# Altium PCB mantarray_beta_drv425_Mounting_Holes.PcbDoc (part 3 of 5)
Units mm, origin at the board's own origin, x right, y up, seen from the top; angles counter-clockwise.
Board outline 158.05 x 258 mm, 8 copper layers (Top Layer, GND1, Signal 1, GND2, DVDD, PWR, AVDD, GND3), stack 1.61 mm thick; 318 components, 274 nets, 1474 pads, 756 vias.
Unrouted connection lines stored in the file: 18.
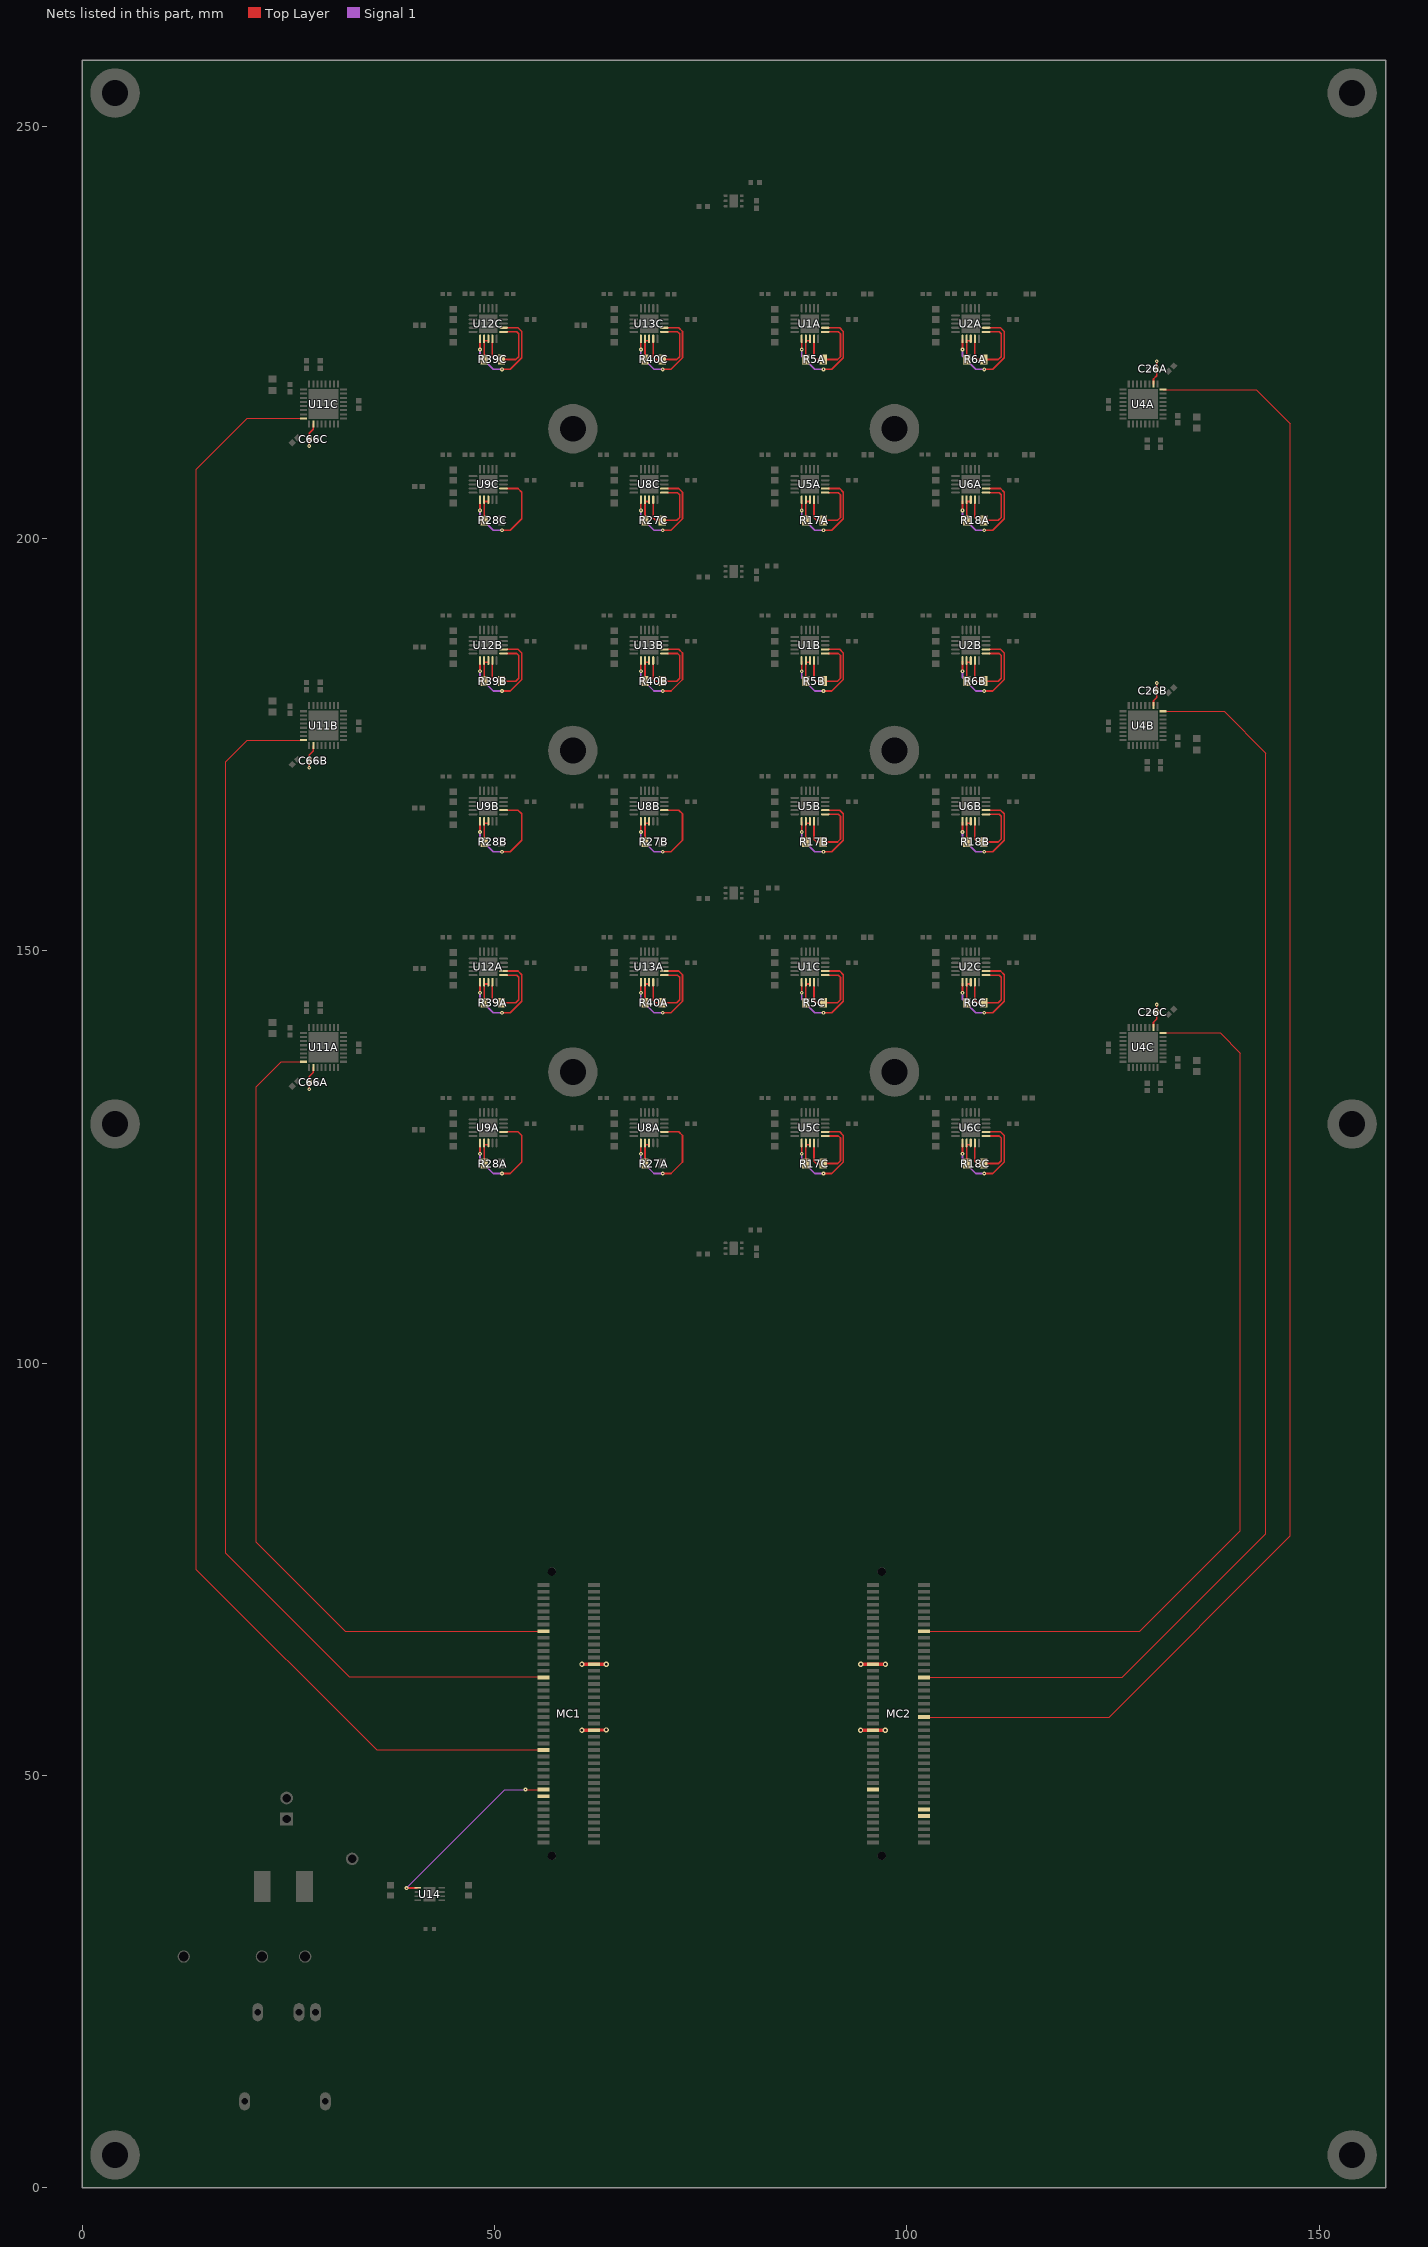
[diagram p9: the nets of this part, all layers, seen from the top]

## Via types
v1: diameter 0.508, hole 0.203, Top Layer to GND3, 292 vias
v2: diameter 0.457, hole 0.152, Top Layer to GND3, 266 vias
v3: diameter 0.5, hole 0.2, Top Layer to GND3, 106 vias
v4: diameter 0.55, hole 0.2, Top Layer to GND3, 54 vias
v5: diameter 0.635, hole 0.305, Top Layer to GND3, 30 vias
v6: diameter 1.524, hole 1.016, Top Layer to GND3, 6 vias
v7: diameter 1.8, hole 1.2, Top Layer to GND3, 2 vias

## Nets (pads, with @x,y where several pads share a name; then routed paths per layer and width w, separated by ;. In a path a pad name is that pad's centre, name@x,y a point inside that pad or via, vN(x,y) a via of type N, cw(c..) or ccw(c..) an arc to the next point about the centre after c; other vN are vias at no path point) (continued)
CMP1L_2C: R27C.1 U8C.14 U8C.16 | length 9.6
  Top Layer w0.203: U8C.14@69.25,204.3 69.25,202.5 69.55,202.2 R27C.1@70.35,202.2 72.1,202.2 72.45,202.55 72.45,205.3 72.2,205.55 U8C.16@71,205.55
CMP1L_4A: R39A.1 U12A.14 U12A.16 | length 9.6
  Top Layer w0.203: U12A.14@49.75,145.8 49.75,144 50.05,143.7 R39A.1@50.85,143.7 52.6,143.7 52.95,144.05 52.95,146.8 52.7,147.05 U12A.16@51.5,147.05
CMP1L_4B: R39B.1 U12B.14 U12B.16 | length 9.6
  Top Layer w0.203: U12B.14@49.75,184.8 49.75,183 50.05,182.7 R39B.1@50.85,182.7 52.6,182.7 52.95,183.05 52.95,185.8 52.7,186.05 U12B.16@51.5,186.05
CMP1L_4C: R39C.1 U12C.14 U12C.16 | length 9.6
  Top Layer w0.203: U12C.14@49.75,223.8 49.75,222 50.05,221.7 R39C.1@50.85,221.7 52.6,221.7 52.95,222.05 52.95,224.8 52.7,225.05 U12C.16@51.5,225.05
CMP1L_RA: R40A.1 U13A.14 U13A.16 | length 9.6
  Top Layer w0.203: U13A.14@69.25,145.8 69.25,144 69.55,143.7 R40A.1@70.35,143.7 72.1,143.7 72.45,144.05 72.45,146.8 72.2,147.05 U13A.16@71,147.05
CMP1L_RB: R40B.1 U13B.14 U13B.16 | length 9.6
  Top Layer w0.203: U13B.14@69.25,184.8 69.25,183 69.55,182.7 R40B.1@70.35,182.7 72.1,182.7 72.45,183.05 72.45,185.8 72.2,186.05 U13B.16@71,186.05
CMP1L_RC: R40C.1 U13C.14 U13C.16 | length 9.6
  Top Layer w0.203: U13C.14@69.25,223.8 69.25,222 69.55,221.7 R40C.1@70.35,221.7 72.1,221.7 72.45,222.05 72.45,224.8 72.2,225.05 U13C.16@71,225.05
CMP1R_1A: R6A.1 U2A.14 U2A.16 | length 9.6
  Top Layer w0.203: U2A.14@108.25,223.8 108.25,222 108.55,221.7 R6A.1@109.35,221.7 111.1,221.7 111.45,222.05 111.45,224.8 111.2,225.05 U2A.16@110,225.05
CMP1R_1B: R6B.1 U2B.14 U2B.16 | length 9.6
  Top Layer w0.203: U2B.14@108.25,184.8 108.25,183 108.55,182.7 R6B.1@109.35,182.7 111.1,182.7 111.45,183.05 111.45,185.8 111.2,186.05 U2B.16@110,186.05
CMP1R_1C: R6C.1 U2C.14 U2C.16 | length 9.6
  Top Layer w0.203: U2C.14@108.25,145.8 108.25,144 108.55,143.7 R6C.1@109.35,143.7 111.1,143.7 111.45,144.05 111.45,146.8 111.2,147.05 U2C.16@110,147.05
CMP1R_2A: R5A.1 U1A.14 U1A.16 | length 9.6
  Top Layer w0.203: U1A.14@88.75,223.8 88.75,222 89.05,221.7 R5A.1@89.85,221.7 91.6,221.7 91.95,222.05 91.95,224.8 91.7,225.05 U1A.16@90.5,225.05
CMP1R_2B: R5B.1 U1B.14 U1B.16 | length 9.6
  Top Layer w0.203: U1B.14@88.75,184.8 88.75,183 89.05,182.7 R5B.1@89.85,182.7 91.6,182.7 91.95,183.05 91.95,185.8 91.7,186.05 U1B.16@90.5,186.05
CMP1R_2C: R5C.1 U1C.14 U1C.16 | length 9.6
  Top Layer w0.203: U1C.14@88.75,145.8 88.75,144 89.05,143.7 R5C.1@89.85,143.7 91.6,143.7 91.95,144.05 91.95,146.8 91.7,147.05 U1C.16@90.5,147.05
CMP1R_3A: R18A.1 U6A.14 U6A.16 | length 9.6
  Top Layer w0.203: U6A.14@108.25,204.3 108.25,202.5 108.55,202.2 R18A.1@109.35,202.2 111.1,202.2 111.45,202.55 111.45,205.3 111.2,205.55 U6A.16@110,205.55
CMP1R_3B: R18B.1 U6B.14 U6B.16 | length 9.6
  Top Layer w0.203: U6B.14@108.25,165.3 108.25,163.5 108.55,163.2 R18B.1@109.35,163.2 111.1,163.2 111.45,163.55 111.45,166.3 111.2,166.55 U6B.16@110,166.55
CMP1R_3C: R18C.1 U6C.14 U6C.16 | length 9.6
  Top Layer w0.203: U6C.14@108.25,126.3 108.25,124.5 108.55,124.2 R18C.1@109.35,124.2 111.1,124.2 111.45,124.55 111.45,127.3 111.2,127.55 U6C.16@110,127.55
CMP1R_4A: R17A.1 U5A.14 U5A.16 | length 9.6
  Top Layer w0.203: U5A.14@88.75,204.3 88.75,202.5 89.05,202.2 R17A.1@89.85,202.2 91.6,202.2 91.95,202.55 91.95,205.3 91.7,205.55 U5A.16@90.5,205.55
CMP1R_4B: R17B.1 U5B.14 U5B.16 | length 9.6
  Top Layer w0.203: U5B.14@88.75,165.3 88.75,163.5 89.05,163.2 R17B.1@89.85,163.2 91.6,163.2 91.95,163.55 91.95,166.3 91.7,166.55 U5B.16@90.5,166.55
CMP1R_4C: R17C.1 U5C.14 U5C.16 | length 9.6
  Top Layer w0.203: U5C.14@88.75,126.3 88.75,124.5 89.05,124.2 R17C.1@89.85,124.2 91.6,124.2 91.95,124.55 91.95,127.3 91.7,127.55 U5C.16@90.5,127.55
CMP2L_1A: U9A.11 U9A.17 | length 13.5
  Top Layer w0.203: U9A.11@48.25,126.575 48.253,126.572 48.253,125.408 v2(48.256,125.405) ; v2(50.9,123) 51.9,123 53.3,124.4 53.3,127.6 52.85,128.05 U9A.17@51.5,128.05
  Signal 1 w0.203: v2(48.256,125.405) 48.25,125.399 48.25,124.6 49.85,123 v2(50.9,123)
CMP2L_1B: U9B.11 U9B.17 | length 13.5
  Top Layer w0.203: U9B.11@48.25,165.575 48.253,165.572 48.253,164.408 v2(48.256,164.405) ; v2(50.9,162) 51.9,162 53.3,163.4 53.3,166.6 52.85,167.05 U9B.17@51.5,167.05
  Signal 1 w0.203: v2(48.256,164.405) 48.25,164.399 48.25,163.6 49.85,162 v2(50.9,162)
CMP2L_1C: U9C.11 U9C.17 | length 13.5
  Top Layer w0.203: U9C.11@48.25,204.575 48.253,204.572 48.253,203.408 v2(48.256,203.405) ; v2(50.9,201) 51.9,201 53.3,202.4 53.3,205.6 52.85,206.05 U9C.17@51.5,206.05
  Signal 1 w0.203: v2(48.256,203.405) 48.25,203.399 48.25,202.6 49.85,201 v2(50.9,201)
CMP2L_2A: U8A.11 U8A.17 | length 13.5
  Top Layer w0.203: U8A.11@67.75,126.575 67.753,126.572 67.753,125.408 v2(67.756,125.405) ; v2(70.4,123) 71.4,123 72.8,124.4 72.8,127.6 72.35,128.05 U8A.17@71,128.05
  Signal 1 w0.203: v2(67.756,125.405) 67.75,125.399 67.75,124.6 69.35,123 v2(70.4,123)
CMP2L_2B: U8B.11 U8B.17 | length 13.5
  Top Layer w0.203: U8B.11@67.75,165.575 67.753,165.572 67.753,164.408 v2(67.756,164.405) ; v2(70.4,162) 71.4,162 72.8,163.4 72.8,166.6 72.35,167.05 U8B.17@71,167.05
  Signal 1 w0.203: v2(67.756,164.405) 67.75,164.399 67.75,163.6 69.35,162 v2(70.4,162)
CMP2L_2C: U8C.11 U8C.17 | length 13.5
  Top Layer w0.203: U8C.11@67.75,204.575 67.753,204.572 67.753,203.408 v2(67.756,203.405) ; v2(70.4,201) 71.4,201 72.8,202.4 72.8,205.6 72.35,206.05 U8C.17@71,206.05
  Signal 1 w0.203: v2(67.756,203.405) 67.75,203.399 67.75,202.6 69.35,201 v2(70.4,201)
CMP2L_4A: U12A.11 U12A.17 | length 13.5
  Top Layer w0.203: U12A.11@48.25,146.075 48.253,146.072 48.253,144.908 v2(48.256,144.905) ; v2(50.9,142.5) 51.9,142.5 53.3,143.9 53.3,147.1 52.85,147.55 U12A.17@51.5,147.55
  Signal 1 w0.203: v2(48.256,144.905) 48.25,144.899 48.25,144.1 49.85,142.5 v2(50.9,142.5)
CMP2L_4B: U12B.11 U12B.17 | length 13.5
  Top Layer w0.203: U12B.11@48.25,185.075 48.253,185.072 48.253,183.908 v2(48.256,183.905) ; v2(50.9,181.5) 51.9,181.5 53.3,182.9 53.3,186.1 52.85,186.55 U12B.17@51.5,186.55
  Signal 1 w0.203: v2(48.256,183.905) 48.25,183.899 48.25,183.1 49.85,181.5 v2(50.9,181.5)
CMP2L_4C: U12C.11 U12C.17 | length 13.5
  Top Layer w0.203: U12C.11@48.25,224.075 48.253,224.072 48.253,222.908 v2(48.256,222.905) ; v2(50.9,220.5) 51.9,220.5 53.3,221.9 53.3,225.1 52.85,225.55 U12C.17@51.5,225.55
  Signal 1 w0.203: v2(48.256,222.905) 48.25,222.899 48.25,222.1 49.85,220.5 v2(50.9,220.5)
CMP2L_RA: U13A.11 U13A.17 | length 13.5
  Top Layer w0.203: U13A.11@67.75,146.075 67.753,146.072 67.753,144.908 v2(67.756,144.905) ; v2(70.4,142.5) 71.4,142.5 72.8,143.9 72.8,147.1 72.35,147.55 U13A.17@71,147.55
  Signal 1 w0.203: v2(67.756,144.905) 67.75,144.899 67.75,144.1 69.35,142.5 v2(70.4,142.5)
CMP2L_RB: U13B.11 U13B.17 | length 13.5
  Top Layer w0.203: U13B.11@67.75,185.075 67.753,185.072 67.753,183.908 v2(67.756,183.905) ; v2(70.4,181.5) 71.4,181.5 72.8,182.9 72.8,186.1 72.35,186.55 U13B.17@71,186.55
  Signal 1 w0.203: v2(67.756,183.905) 67.75,183.899 67.75,183.1 69.35,181.5 v2(70.4,181.5)
CMP2L_RC: U13C.11 U13C.17 | length 13.5
  Top Layer w0.203: U13C.11@67.75,224.075 67.753,224.072 67.753,222.908 v2(67.756,222.905) ; v2(70.4,220.5) 71.4,220.5 72.8,221.9 72.8,225.1 72.35,225.55 U13C.17@71,225.55
  Signal 1 w0.203: v2(67.756,222.905) 67.75,222.899 67.75,222.1 69.35,220.5 v2(70.4,220.5)
CMP2R_1A: U2A.11 U2A.17 | length 13.5
  Top Layer w0.203: U2A.11@106.75,224.075 106.753,224.072 106.753,222.908 v2(106.756,222.905) ; v2(109.4,220.5) 110.4,220.5 111.8,221.9 111.8,225.1 111.35,225.55 U2A.17@110,225.55
  Signal 1 w0.203: v2(106.756,222.905) 106.75,222.899 106.75,222.1 108.35,220.5 v2(109.4,220.5)
CMP2R_1B: U2B.11 U2B.17 | length 13.5
  Top Layer w0.203: U2B.11@106.75,185.075 106.753,185.072 106.753,183.908 v2(106.756,183.905) ; v2(109.4,181.5) 110.4,181.5 111.8,182.9 111.8,186.1 111.35,186.55 U2B.17@110,186.55
  Signal 1 w0.203: v2(106.756,183.905) 106.75,183.899 106.75,183.1 108.35,181.5 v2(109.4,181.5)
CMP2R_1C: U2C.11 U2C.17 | length 13.5
  Top Layer w0.203: U2C.11@106.75,146.075 106.753,146.072 106.753,144.908 v2(106.756,144.905) ; v2(109.4,142.5) 110.4,142.5 111.8,143.9 111.8,147.1 111.35,147.55 U2C.17@110,147.55
  Signal 1 w0.203: v2(106.756,144.905) 106.75,144.899 106.75,144.1 108.35,142.5 v2(109.4,142.5)
CMP2R_2A: U1A.11 U1A.17 | length 13.5
  Top Layer w0.203: U1A.11@87.25,224.075 87.253,224.072 87.253,222.908 v2(87.256,222.905) ; v2(89.9,220.5) 90.9,220.5 92.3,221.9 92.3,225.1 91.85,225.55 U1A.17@90.5,225.55
  Signal 1 w0.203: v2(87.256,222.905) 87.25,222.899 87.25,222.1 88.85,220.5 v2(89.9,220.5)
CMP2R_2B: U1B.11 U1B.17 | length 13.5
  Top Layer w0.203: U1B.11@87.25,185.075 87.253,185.072 87.253,183.908 v2(87.256,183.905) ; v2(89.9,181.5) 90.9,181.5 92.3,182.9 92.3,186.1 91.85,186.55 U1B.17@90.5,186.55
  Signal 1 w0.203: v2(87.256,183.905) 87.25,183.899 87.25,183.1 88.85,181.5 v2(89.9,181.5)
CMP2R_2C: U1C.11 U1C.17 | length 13.5
  Top Layer w0.203: U1C.11@87.25,146.075 87.253,146.072 87.253,144.908 v2(87.256,144.905) ; v2(89.9,142.5) 90.9,142.5 92.3,143.9 92.3,147.1 91.85,147.55 U1C.17@90.5,147.55
  Signal 1 w0.203: v2(87.256,144.905) 87.25,144.899 87.25,144.1 88.85,142.5 v2(89.9,142.5)
CMP2R_3A: U6A.11 U6A.17 | length 13.5
  Top Layer w0.203: U6A.11@106.75,204.575 106.753,204.572 106.753,203.408 v2(106.756,203.405) ; v2(109.4,201) 110.4,201 111.8,202.4 111.8,205.6 111.35,206.05 U6A.17@110,206.05
  Signal 1 w0.203: v2(106.756,203.405) 106.75,203.399 106.75,202.6 108.35,201 v2(109.4,201)
CMP2R_3B: U6B.11 U6B.17 | length 13.5
  Top Layer w0.203: U6B.11@106.75,165.575 106.753,165.572 106.753,164.408 v2(106.756,164.405) ; v2(109.4,162) 110.4,162 111.8,163.4 111.8,166.6 111.35,167.05 U6B.17@110,167.05
  Signal 1 w0.203: v2(106.756,164.405) 106.75,164.399 106.75,163.6 108.35,162 v2(109.4,162)
CMP2R_3C: U6C.11 U6C.17 | length 13.5
  Top Layer w0.203: U6C.11@106.75,126.575 106.753,126.572 106.753,125.408 v2(106.756,125.405) ; v2(109.4,123) 110.4,123 111.8,124.4 111.8,127.6 111.35,128.05 U6C.17@110,128.05
  Signal 1 w0.203: v2(106.756,125.405) 106.75,125.399 106.75,124.6 108.35,123 v2(109.4,123)
CMP2R_4A: U5A.11 U5A.17 | length 13.5
  Top Layer w0.203: U5A.11@87.25,204.575 87.253,204.572 87.253,203.408 v2(87.256,203.405) ; v2(89.9,201) 90.9,201 92.3,202.4 92.3,205.6 91.85,206.05 U5A.17@90.5,206.05
  Signal 1 w0.203: v2(87.256,203.405) 87.25,203.399 87.25,202.6 88.85,201 v2(89.9,201)
CMP2R_4B: U5B.11 U5B.17 | length 13.5
  Top Layer w0.203: U5B.11@87.25,165.575 87.253,165.572 87.253,164.408 v2(87.256,164.405) ; v2(89.9,162) 90.9,162 92.3,163.4 92.3,166.6 91.85,167.05 U5B.17@90.5,167.05
  Signal 1 w0.203: v2(87.256,164.405) 87.25,164.399 87.25,163.6 88.85,162 v2(89.9,162)
CMP2R_4C: U5C.11 U5C.17 | length 13.5
  Top Layer w0.203: U5C.11@87.25,126.575 87.253,126.572 87.253,125.408 v2(87.256,125.405) ; v2(89.9,123) 90.9,123 92.3,124.4 92.3,127.6 91.85,128.05 U5C.17@90.5,128.05
  Signal 1 w0.203: v2(87.256,125.405) 87.25,125.399 87.25,124.6 88.85,123 v2(89.9,123)
CS_B_0: MC2.40 U4A.32 | length 205.5
  Top Layer w0.127: MC2.40@102.088,57.096 124.54,57.096 146.5,79.056 146.5,213.9 142.35,218.05 U4A.32@131.085,218.05
CS_B_1: MC2.52 U4B.32 | length 157.9
  Top Layer w0.127: MC2.52@102.088,61.896 126.14,61.896 143.55,79.306 143.55,173.959 138.459,179.05 U4B.32@131.085,179.05
CS_B_2: MC2.66 U4C.32 | length 111.7
  Top Layer w0.127: MC2.66@102.088,67.496 128.24,67.496 140.45,79.706 140.45,137.6 138,140.05 U4C.32@131.085,140.05
CS_B_3: MC1.29 U11C.32 | length 200.1
  Top Layer w0.127: U11C.32@26.862,214.55 26.373,214.55 20,214.55 13.85,208.4 13.85,74.95 35.704,53.096 MC1.29@55.918,53.096
CS_B_4: MC1.51 U11B.32 | length 151.3
  Top Layer w0.127: U11B.32@26.862,175.55 26.373,175.55 20,175.55 17.4,172.95 17.4,172.1 17.4,76.95 32.39,61.96 55.854,61.96 MC1.51@55.918,61.896
CS_B_5: MC1.65 U11A.32 | length 101.5
  Top Layer w0.127: U11A.32@26.862,136.55 24.15,136.55 21.1,133.5 21.1,78.3 31.904,67.496 MC1.65@55.918,67.496
CS_B_DAC: MC2.17
DRV1L_1A: R28A.2 U9A.12 U9A.13 | length 2.9
  Top Layer w0.203: R28A.2@48.75,124.2 U9A.12@48.75,126.449 ; U9A.12@48.75,126.575 U9A.12@48.75,126.449 ; U9A.13@49.25,126.475 48.776,126.475 U9A.12@48.75,126.449
DRV1L_1B: R28B.2 U9B.12 U9B.13 | length 2.9
  Top Layer w0.203: R28B.2@48.75,163.2 U9B.12@48.75,165.449 ; U9B.12@48.75,165.575 U9B.12@48.75,165.449 ; U9B.13@49.25,165.475 48.776,165.475 U9B.12@48.75,165.449
DRV1L_1C: R28C.2 U9C.12 U9C.13 | length 2.9
  Top Layer w0.203: R28C.2@48.75,202.2 U9C.12@48.75,204.449 ; U9C.12@48.75,204.575 U9C.12@48.75,204.449 ; U9C.13@49.25,204.475 48.776,204.475 U9C.12@48.75,204.449
DRV1L_2A: R27A.2 U8A.12 U8A.13 | length 2.9
  Top Layer w0.203: R27A.2@68.25,124.2 U8A.12@68.25,126.449 ; U8A.12@68.25,126.575 U8A.12@68.25,126.449 ; U8A.13@68.75,126.475 68.276,126.475 U8A.12@68.25,126.449
DRV1L_2B: R27B.2 U8B.12 U8B.13 | length 2.9
  Top Layer w0.203: R27B.2@68.25,163.2 U8B.12@68.25,165.449 ; U8B.12@68.25,165.575 U8B.12@68.25,165.449 ; U8B.13@68.75,165.475 68.276,165.475 U8B.12@68.25,165.449
DRV1L_2C: R27C.2 U8C.12 U8C.13 | length 2.9
  Top Layer w0.203: R27C.2@68.25,202.2 U8C.12@68.25,204.449 ; U8C.12@68.25,204.575 U8C.12@68.25,204.449 ; U8C.13@68.75,204.475 68.276,204.475 U8C.12@68.25,204.449
DRV1L_4A: R39A.2 U12A.12 U12A.13 | length 2.9
  Top Layer w0.203: R39A.2@48.75,143.7 U12A.12@48.75,145.949 ; U12A.12@48.75,146.075 U12A.12@48.75,145.949 ; U12A.13@49.25,145.975 48.776,145.975 U12A.12@48.75,145.949
DRV1L_4B: R39B.2 U12B.12 U12B.13 | length 2.9
  Top Layer w0.203: R39B.2@48.75,182.7 U12B.12@48.75,184.949 ; U12B.12@48.75,185.075 U12B.12@48.75,184.949 ; U12B.13@49.25,184.975 48.776,184.975 U12B.12@48.75,184.949
DRV1L_4C: R39C.2 U12C.12 U12C.13 | length 2.9
  Top Layer w0.203: R39C.2@48.75,221.7 U12C.12@48.75,223.949 ; U12C.12@48.75,224.075 U12C.12@48.75,223.949 ; U12C.13@49.25,223.975 48.776,223.975 U12C.12@48.75,223.949
DRV1L_RA: R40A.2 U13A.12 U13A.13 | length 2.9
  Top Layer w0.203: R40A.2@68.25,143.7 U13A.12@68.25,145.949 ; U13A.12@68.25,146.075 U13A.12@68.25,145.949 ; U13A.13@68.75,145.975 68.276,145.975 U13A.12@68.25,145.949
DRV1L_RB: R40B.2 U13B.12 U13B.13 | length 2.9
  Top Layer w0.203: R40B.2@68.25,182.7 U13B.12@68.25,184.949 ; U13B.12@68.25,185.075 U13B.12@68.25,184.949 ; U13B.13@68.75,184.975 68.276,184.975 U13B.12@68.25,184.949
DRV1L_RC: R40C.2 U13C.12 U13C.13 | length 2.9
  Top Layer w0.203: R40C.2@68.25,221.7 U13C.12@68.25,223.949 ; U13C.12@68.25,224.075 U13C.12@68.25,223.949 ; U13C.13@68.75,223.975 68.276,223.975 U13C.12@68.25,223.949
DRV1R_1A: R6A.2 U2A.12 U2A.13 | length 2.9
  Top Layer w0.203: R6A.2@107.25,221.7 U2A.12@107.25,223.949 ; U2A.12@107.25,224.075 U2A.12@107.25,223.949 ; U2A.13@107.75,223.975 107.276,223.975 U2A.12@107.25,223.949
DRV1R_1B: R6B.2 U2B.12 U2B.13 | length 2.9
  Top Layer w0.203: R6B.2@107.25,182.7 U2B.12@107.25,184.949 ; U2B.12@107.25,185.075 U2B.12@107.25,184.949 ; U2B.13@107.75,184.975 107.276,184.975 U2B.12@107.25,184.949
DRV1R_1C: R6C.2 U2C.12 U2C.13 | length 2.9
  Top Layer w0.203: R6C.2@107.25,143.7 U2C.12@107.25,145.949 ; U2C.12@107.25,146.075 U2C.12@107.25,145.949 ; U2C.13@107.75,145.975 107.276,145.975 U2C.12@107.25,145.949
DRV1R_2A: R5A.2 U1A.12 U1A.13 | length 2.9
  Top Layer w0.203: R5A.2@87.75,221.7 U1A.12@87.75,223.949 ; U1A.12@87.75,224.075 U1A.12@87.75,223.949 ; U1A.13@88.25,223.975 87.776,223.975 U1A.12@87.75,223.949
DRV1R_2B: R5B.2 U1B.12 U1B.13 | length 2.9
  Top Layer w0.203: R5B.2@87.75,182.7 U1B.12@87.75,184.949 ; U1B.12@87.75,185.075 U1B.12@87.75,184.949 ; U1B.13@88.25,184.975 87.776,184.975 U1B.12@87.75,184.949
DRV1R_2C: R5C.2 U1C.12 U1C.13 | length 2.9
  Top Layer w0.203: R5C.2@87.75,143.7 U1C.12@87.75,145.949 ; U1C.12@87.75,146.075 U1C.12@87.75,145.949 ; U1C.13@88.25,145.975 87.776,145.975 U1C.12@87.75,145.949
DRV1R_3A: R18A.2 U6A.12 U6A.13 | length 2.9
  Top Layer w0.203: R18A.2@107.25,202.2 U6A.12@107.25,204.449 ; U6A.12@107.25,204.575 U6A.12@107.25,204.449 ; U6A.13@107.75,204.475 107.276,204.475 U6A.12@107.25,204.449
DRV1R_3B: R18B.2 U6B.12 U6B.13 | length 2.9
  Top Layer w0.203: R18B.2@107.25,163.2 U6B.12@107.25,165.449 ; U6B.12@107.25,165.575 U6B.12@107.25,165.449 ; U6B.13@107.75,165.475 107.276,165.475 U6B.12@107.25,165.449
DRV1R_3C: R18C.2 U6C.12 U6C.13 | length 2.9
  Top Layer w0.203: R18C.2@107.25,124.2 U6C.12@107.25,126.449 ; U6C.12@107.25,126.575 U6C.12@107.25,126.449 ; U6C.13@107.75,126.475 107.276,126.475 U6C.12@107.25,126.449
DRV1R_4A: R17A.2 U5A.12 U5A.13 | length 2.9
  Top Layer w0.203: R17A.2@87.75,202.2 U5A.12@87.75,204.449 ; U5A.12@87.75,204.575 U5A.12@87.75,204.449 ; U5A.13@88.25,204.475 87.776,204.475 U5A.12@87.75,204.449
DRV1R_4B: R17B.2 U5B.12 U5B.13 | length 2.9
  Top Layer w0.203: R17B.2@87.75,163.2 U5B.12@87.75,165.449 ; U5B.12@87.75,165.575 U5B.12@87.75,165.449 ; U5B.13@88.25,165.475 87.776,165.475 U5B.12@87.75,165.449
DRV1R_4C: R17C.2 U5C.12 U5C.13 | length 2.9
  Top Layer w0.203: R17C.2@87.75,124.2 U5C.12@87.75,126.449 ; U5C.12@87.75,126.575 U5C.12@87.75,126.449 ; U5C.13@88.25,126.475 87.776,126.475 U5C.12@87.75,126.449
DVDD: C26A.2 C26B.2 C26C.2 C66A.2 C66B.2 C66C.2 MC1.36 MC1.56 MC2.35 MC2.55 U4A.2 U4B.2 U4C.2 U11A.2 U11B.2 U11C.2 | length 29.2
  Top Layer w0.203: v2(27.55,133.2) 27.55,134.04 C66A.2@27.56,134.05 ; C66A.2@27.55,134.05 27.55,134.75 28.037,135.237 U11A.2@28.037,135.875 ; v2(27.55,172.2) 27.55,173.04 C66B.2@27.56,173.05 ; C66B.2@27.55,173.05 27.55,173.75 28.037,174.237 U11B.2@28.037,174.875 ; v2(27.55,211.2) 27.55,212.04 C66C.2@27.56,212.05 ; C66C.2@27.55,212.05 27.55,212.75 28.037,213.237 U11C.2@28.037,213.875 ; U4C.2@129.91,140.725 129.91,141.326 130.308,141.724 C26C.2@130.308,142.55 ; U4B.2@129.91,179.725 129.91,180.326 130.308,180.724 C26B.2@130.308,181.55 ; U4A.2@129.91,218.725 129.91,219.326 130.308,219.724 C26A.2@130.308,220.55 ; C26C.2@130.24,142.55 130.3,142.61 v2(130.3,143.474) ; C26B.2@130.24,181.55 130.3,181.61 v2(130.3,182.474) ; C26A.2@130.24,220.55 130.3,220.61 v2(130.3,221.474)
  Top Layer w0.305: v5(94.4,63.5) v5@94.6,63.5 ; MC2.55@95.914,63.5 MC2.55@95.918,63.496
  Top Layer w0.381: v5(60.6,63.5) 60.602,63.498 63.548,63.498 v5(63.55,63.5) ; v5@60.792,55.498 60.793,55.497 MC1.36@62.088,55.496 MC1.36@62.088,55.496 62.101,55.51 63.547,55.51 v5(63.561,55.523) ; v5(94.396,55.498) 95.916,55.498 MC2.35@95.918,55.496 97.392,55.496 v5(97.394,55.498) ; v5@94.6,63.5 MC2.55@95.914,63.5 ; MC2.55@95.918,63.496 97.396,63.496 v5(97.4,63.5)
  other v5: 60.6,55.498
EN_3p3V: MC1.15 | length 0
  Top Layer w0.127: MC1.15@55.896,47.474 MC1.15@55.918,47.496
EN_AVDD: MC1.17 U14.1 | length 22.8
  Top Layer w0.127: v2(53.75,48.3) 55.914,48.3 MC1.17@55.918,48.296
  Top Layer w0.203: v1(39.35,36.35) 39.373,36.373 40.598,36.373 U14.1@40.6,36.375
  Signal 1 w0.127: v1(39.35,36.35) 39.35,36.4 51.25,48.3 v2(53.75,48.3)
FAULT_0: MC2.10
FAULT_1: MC2.12